# KiCad board CPU.kicad_pcb (continued)
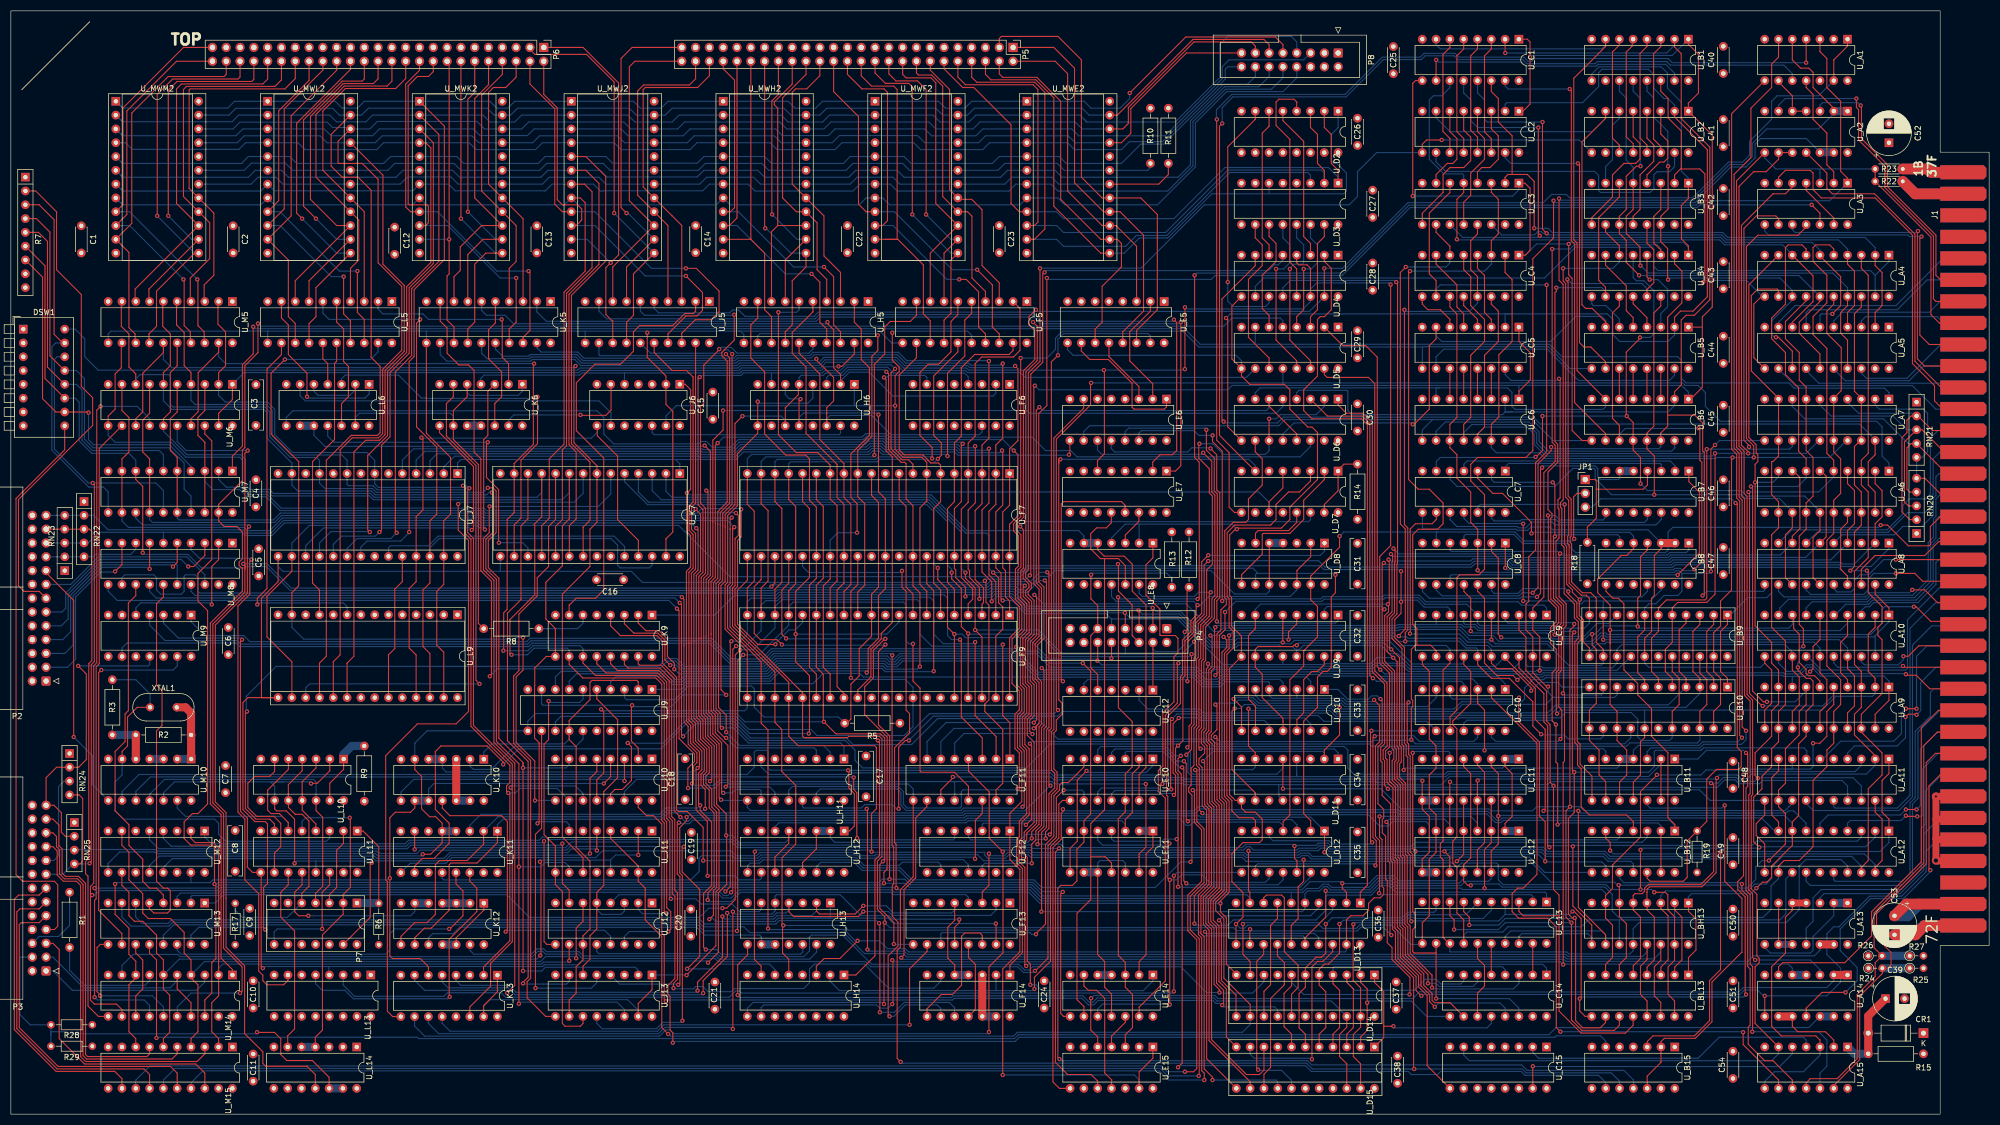
[diagram p0: board, top side]
## Routing (per net, layer and track width the routed paths; a pad name or vN(x,y) marks a point on that pad's centre or on a via; arc(x,y) is an arc through that point) (continued)
DataF.D_{0}: length 404.7
  Top w0.2: 284.86,36.5 284.86,18.97 288.93,14.91 297.06,14.91 298.5,16.35 U_BL13.12 ; 284.86,36.5 278.26,36.5 277.48,37.28 277.48,38.85 ; 284.86,36.5 284.86,40.31 283.84,41.33 283.84,60.42 v1(283.85,60.43) 283.22,61.05 283.22,71.67 282.58,72.31 282.58,77.84 278.77,81.65 278.77,87.81 277.5,89.08 U_C9.3 ; U_F9.36 v1(173.61,88.32) 172.34,89.59 172.34,96.57 170.56,98.36 v1(170.56,100.51) ; v1(211.89,60.75) 211.84,60.79 211.84,63.17 212.42,63.75 212.42,73.41 214.63,75.62 214.63,82.78 v1(214.83,82.97) ; P4.12 199.98,83.49 v1(199.92,83.43)
  Bottom w0.2: v1(173.61,88.32) 175,88.32 175.64,87.68 187.09,87.68 191.04,83.73 199.62,83.73 200.67,82.67 214.53,82.67 v1(214.83,82.97) ; v1(211.89,60.75) 212.02,60.88 215.51,60.88 215.76,60.63 234.06,60.63 ; v1(170.56,100.51) 169.8,101.26 169.8,110.9 168.56,112.14 117.15,112.14 112.92,116.37 U_K7.5 ; U_A11.17 337.94,58.59 337.95,58.6 337.95,60.38 336.93,61.39 322.34,61.39 321.75,60.81 317.96,60.81 317.27,61.5 315.33,61.5 313.96,60.13 284.15,60.13 v1(283.85,60.43) 283.55,60.13 254.17,60.13 253.68,60.62 233.3,60.62 233.3,58.47 U_D11.12
DataF.D_{1}: length 412.9
  Top w0.2: P4.10 202.52,83.9 v1(202.5,83.88) ; U_F9.37 176.15,88.43 v1(176.15,88.43) 174.88,89.7 174.88,96.7 173.1,98.48 v1(173.1,99.65) ; U_D11.5 234.05,59.88 v1(234.06,59.87) ; v1(216.48,67.49) 216.78,67.79 216.78,71.4 217.24,71.86 217.24,84.62 v1(217.25,84.63) ; 264.78,38.85 264.78,36.51 265.56,35.74 v1(265.56,33.96) ; U_BL13.11 295.96,16.35 295.02,15.42 289.06,15.42 287.15,17.33 v1(287.15,35.23) 286.13,36.25 286.13,55.81 v1(286.89,56.57) 286.86,56.6 286.86,89.04 287.66,89.84 v1(287.66,90.19)
  Bottom w0.2: v1(217.25,84.63) 216.8,84.18 193.29,84.18 189.15,88.32 176.27,88.32 v1(176.15,88.43) ; v1(216.48,67.49) 217.05,66.92 217.05,63.04 217.53,62.55 232.94,62.55 234.05,63.66 U_D11.5 ; U_C9.4 274.96,90.86 275.47,90.35 284.1,90.35 284.2,90.44 287.4,90.44 v1(287.66,90.19) ; 327.79,57.18 326.46,55.86 289.42,55.86 288.72,56.57 v1(286.89,56.57) 280.75,56.57 279.98,55.8 272.3,55.8 271.95,56.15 255.82,56.15 252.1,59.87 v1(234.06,59.87) ; U_K7.4 115.46,114.47 117.34,112.59 168.75,112.59 172.34,109 172.34,101.02 173.1,100.25 v1(173.1,99.65) ; v1(287.15,35.23) 274.96,35.23 273.69,33.96 v1(265.56,33.96)
DataF.D_{2}: length 416.6
  Top w0.2: v1(217.72,86.93) 218.02,86.63 218.02,84.25 217.69,83.92 217.69,71.67 217.23,71.21 217.23,67.08 v1(216.29,66.14) ; v1(287.66,88.65) 287.31,88.31 287.31,63.27 v1(287.66,62.92) 287.66,61.9 287.66,55.49 286.59,54.42 286.59,36.81 287.29,36.11 v1(287.73,36.11) 287.91,35.93 287.91,17.21 289.25,15.87 292.44,15.87 293.42,16.85 U_BL13.10 ; v1(268.35,34.79) 268.35,36.25 267.32,37.28 267.32,38.85 ; v1(175.64,99.65) 175.64,98.61 177.42,96.82 v1(177.42,89.07) 178.69,87.81 178.69,76.59
  Bottom w0.2: 204.98,84.64 193.48,84.64 189.04,89.08 177.43,89.08 v1(177.42,89.07) ; 204.98,84.64 215.43,84.64 v1(217.72,86.93) ; 204.98,84.64 205.06,84.71 P4.8 ; v1(216.29,66.14) 216.59,65.84 216.59,62.85 217.35,62.1 236.55,62.1 236.59,62.14 236.59,62.74 ; 236.59,62.74 U_D11.4 ; 236.59,62.74 236.59,62.1 264.05,62.1 264.55,62.6 287.33,62.6 v1(287.66,62.92) 287.67,62.92 301.37,62.92 302.39,63.93 302.39,66.73 302.61,66.94 311,66.94 311.46,67.4 329.91,67.4 330.45,66.86 330.45,65.46 ; U_C9.7 267.34,90.35 267.59,90.09 269.49,90.09 270.14,89.44 284.71,89.44 285.32,88.82 287.49,88.82 v1(287.66,88.65) ; v1(287.73,36.11) 287.63,36 274.97,36 273.76,34.79 v1(268.35,34.79) ; U_K7.3 118,114.72 119.67,113.05 168.94,113.05 174.88,107.1 174.88,100.4 v1(175.64,99.65)
DataF.D_{3}: length 416.6
  Top w0.2: v1(255.79,99.9) v1(255.79,94.27) 255.79,92.16 254.64,91 254.64,87.65 256.42,85.87 256.42,68.24 256.73,67.93 256.73,65.98 257.03,65.68 257.03,48.06 257.49,47.61 257.49,35.68 v1(257.69,35.48) ; v1(318.82,62.47) 318.81,62.46 318.81,43.87 317.75,42.81 317.75,41.32 319.12,39.96 319.12,22.18 v1(319.27,22.02) ; P4.6 206.38,88.01 206.35,88.01 206.32,88.05 206.32,93.71 203.8,96.23 203.8,101.12 v1(203.71,101.21) ; v1(180.74,99.65) 181.74,98.65 181.74,94.09 182.5,93.33 182.5,89.22 181.23,87.94 U_F9.39 ; U_BL13.9 289.66,17.99 288.67,18.98 v1(288.67,21.26) 288.93,21.52 288.93,35.99 287.63,37.29 v1(287.34,37.29)
  Bottom w0.2: v1(287.34,37.29) 286.81,36.75 274.96,36.75 ; v1(319.27,22.02) 318.81,21.56 288.97,21.56 288.67,21.26 v1(288.67,21.26) ; 340.49,64.8 340.49,64.18 339.33,63.02 319.37,63.02 v1(318.82,62.47) ; v1(255.79,94.27) 255.79,94.53 255.75,94.57 258.77,94.57 260.04,93.3 264.38,93.3 264.8,92.89 U_C9.8 ; v1(257.69,35.48) 257.75,35.55 273.75,35.55 274.94,36.74 274.94,38.85 ; v1(255.79,99.9) 255.49,100.2 241.59,100.2 240.88,100.91 187.09,100.91 185.83,99.65 v1(180.74,99.65) 179.96,100.43 179.96,106.48 179.53,106.91 175.72,106.91 169.13,113.5 121.63,113.5 120.54,114.59 U_K7.2
DataF.D_{4}: length 388.1
  Top w0.2: v1(175.64,95.27) 175.64,96.95 173.87,98.73 173.87,100.13 173.61,100.39 U_F7.36 173.61,111.42 174.88,112.7 174.88,123.1 v1(175.14,123.36) ; v1(210.1,93.15) 210.14,93.11 P4.3 ; U_C9.13 264.8,82.98 263.53,81.71 263.53,50.26 263.02,49.75 263.02,47.3 263.53,46.79 263.53,32.49 264.78,31.23 ; v1(235.08,87.31) 235.08,88.7 236.59,90.21 U_D9.4
  Bottom w0.2: v1(175.14,123.36) 174.84,123.66 161.29,123.66 160.66,124.28 157.62,124.28 157,123.66 134.03,123.66 132.64,122.26 127.33,122.26 127.17,122.42 74.11,122.42 72.03,120.33 U_J7.5 ; v1(175.64,95.27) 175.94,95.57 180.28,95.57 180.88,96.17 184.52,96.17 187.24,93.45 209.8,93.45 v1(210.1,93.15) 210.78,92.47 215.24,92.47 220.86,86.85 224.98,86.85 225.68,87.55 234.57,87.55 234.82,87.31 v1(235.08,87.31) 235.38,87.61 254.04,87.61 255.42,86.23 264.09,86.23 264.8,85.52 U_C9.13 ; 264.78,31.23 264.78,29.91 264.85,29.84 286.3,29.84 286.66,29.48 297.91,29.48 298.5,30.07 U_BH13.12 298.5,34.13 299.6,35.23 326.65,35.23 329.06,37.64 329.06,45.64 330.25,46.83 336.76,46.83 337.94,45.65 337.94,43.76
DataF.D_{5}: length 374.2
  Top w0.2: P4.5 207.6,92.62 v1(207.52,92.7) ; v1(178.21,94.82) 178.21,96.93 176.41,98.73 176.41,100 176.15,100.26 U_F7.37 176.15,111.17 177.46,112.48 177.46,122.87 v1(177.42,122.9) ; U_D9.5 234.05,89.4 234.03,89.37 v1(234.03,86.79) ; 267.32,31.23 267.32,35.75 266.07,37.01 266.07,45.41 265.31,46.17 265.31,50.22 266.07,50.98 266.07,70.89 265.31,71.66 265.31,72.31 268.61,75.62 268.61,81.46 267.34,82.73 U_C9.14
  Bottom w0.2: v1(207.52,92.7) 207.22,93 207.16,93 ; 296.04,35.74 325.5,35.74 326.59,36.83 326.59,43.28 U_A12.13 ; 296.04,35.74 290.25,35.74 288.98,34.47 275.47,34.47 274.5,33.51 267.9,33.51 267.33,32.94 U_C13.14 ; 296.04,35.74 295.96,35.66 U_BH13.11 ; 207.16,93 208.14,92.02 215.05,92.02 220.67,86.4 225.29,86.4 225.68,86.79 v1(234.03,86.79) 234.32,86.79 234.57,86.54 235.53,86.54 236.15,87.15 253.55,87.15 257.89,82.82 266.92,82.82 267.34,83.24 U_C9.14 ; 207.16,93 187.05,93 184.33,95.72 181.07,95.72 180.47,95.12 178.51,95.12 v1(178.21,94.82) ; U_J7.4 74.57,120.33 76.2,121.97 126.99,121.97 127.15,121.81 132.82,121.81 134.22,123.2 157.19,123.2 157.81,123.83 160.48,123.83 161.1,123.2 174.22,123.2 174.82,122.6 177.12,122.6 v1(177.42,122.9)
DataF.D_{6}: length 375.3
  Top w0.2: v1(288.41,55.8) 288.42,55.8 288.42,38.02 293.42,33.02 U_BH13.10 ; P4.7 205.06,92.17 v1(204.98,92.24) ; v1(180.47,94.36) 180.47,97.97 178.69,99.75 178.69,111.17 179.96,112.45 v1(179.96,122.45) ; 274.96,83.86 280.49,78.33 280.49,72.62 282.32,70.8 282.32,56.1 v1(282.02,55.8)
  Bottom w0.2: v1(282.02,55.8) v1(288.41,55.8) 288.81,55.4 326.65,55.4 327.05,55.8 328.04,55.8 330.32,53.52 330.32,51.38 ; 236.59,85.52 237.11,85.52 237.84,86.25 252.14,86.25 253.65,84.73 255.17,84.73 257.53,82.37 273.11,82.37 U_C9.17 ; 236.59,85.52 236.32,85.52 235.8,86.04 233.71,86.04 233.41,86.34 225.87,86.34 225.48,85.95 220.48,85.95 214.87,91.56 205.66,91.56 v1(204.98,92.24) 202,92.24 201.7,92.54 186.86,92.54 184.14,95.26 181.37,95.26 v1(180.47,94.36) ; 236.59,85.52 U_D9.13 ; 293.44,30.72 293.44,33 292.74,33.71 275.97,33.71 274.94,32.68 274.94,31.23 ; v1(179.96,122.45) 179.66,122.15 174.64,122.15 174.04,122.75 160.91,122.75 160.29,123.37 158,123.37 157.38,122.75 134.41,122.75 133.01,121.35 126.96,121.35 126.8,121.51 78.41,121.51 77.11,120.21 U_J7.3
DataF.D_{7}: length 373
  Top w0.2: v1(287.4,49.26) 287.4,38.29 288.1,37.6 288.1,37.59 290.88,34.8 U_BH13.9 ; U_C9.18 277.5,82.1 279.72,79.88 279.72,79.74 282.07,77.39 282.07,72.18 282.77,71.48 282.77,49.42 v1(283.09,49.1) ; v1(182.49,94.51) 182.19,94.81 182.19,99.55 181.23,100.51 U_F7.39 181.23,110.79 182.5,112.06 182.5,121.97 v1(182.38,122.1)
  Bottom w0.2: v1(182.49,94.51) 184.25,94.51 186.67,92.09 201.51,92.09 202.52,91.08 202.52,91.06 ; 202.52,91.06 202.57,91.11 214.68,91.11 223.06,82.73 234.05,82.73 U_D9.12 ; 202.52,91.06 P4.9 ; 277.48,31.23 277.48,32.68 278.01,33.2 290.2,33.2 290.88,32.52 U_BH13.9 ; 79.65,117.87 79.65,119.06 81.64,121.06 126.61,121.06 126.77,120.9 133.2,120.9 134.59,122.3 157.56,122.3 158.19,122.92 160.1,122.92 160.72,122.3 173.85,122.3 174.45,121.7 181.97,121.7 v1(182.38,122.1) ; 287.6,49.4 283.39,49.4 v1(283.09,49.1) ; 287.6,49.4 287.47,49.26 v1(287.4,49.26) ; 287.6,49.4 287.66,49.45 320.42,49.45 321.19,50.22 339.73,50.22 340.49,50.97 340.49,51.38 ; U_C9.18 277.5,82.98 276.43,81.91 257.34,81.91 256.29,82.97 250.95,82.97 250.4,82.42 241.6,82.42 241.3,82.73 234.06,82.73
DataP.D_{0}: length 648
  Top w0.2: v1(134.37,111.3) 134.37,106.22 133.7,105.56 133.7,97.08 133.24,96.62 133.24,89.99 145.67,77.55 U_F9.25 145.67,69.53 145.92,69.27 153.94,69.27 154.19,69.52 159.82,69.52 160.28,69.06 160.28,47.4 159.44,46.56 159.44,37.66 160.79,36.31 v1(160.79,35.24) 160.66,35.11 v1(160.66,20.25) ; v1(321.44,61.82) 320.93,62.32 320.93,66.47 323.98,69.52 323.98,74.22 325.25,75.49 325.25,76.12 325.25,76.13 U_A9.9 ; U_A4.9 319.79,152.6 319.79,124.51 321.13,123.17 321.13,121.64 321.44,121.34 321.44,120.07 320.93,119.56 v1(320.93,116.26) 320.93,89.84 323.98,86.79 323.98,82.98 325.25,81.72 325.25,78.4 ; U_M6.3 35.69,129.46 34.42,128.19 34.42,124.89 35.69,123.62 35.69,123.62 U_M7.3 U_M7.18 ; U_C12.6 U_C11.11 264.76,61.1 v1(264.8,61.14) ; U_BH13.5 298.5,40.23 298.83,40.56 300.15,40.56 300.6,41.01 300.6,41.57 301.32,42.29 310.97,42.29 313.31,44.63 313.31,60.59 312.99,60.91 v1(312.83,60.91) ; U_D13.12 227.97,33.97 v1(228.02,34.02) ; 298.52,25.6 298.52,27.3 299.85,28.63 299.85,36.25 298.52,37.58 298.52,38.85 ; v1(254.01,32.94) 253.75,33.2 253.75,46.2 253.4,46.56 253.4,53.47 v1(253.1,53.77)
  Bottom w0.2: U_A11.18 340.49,60.38 338.97,61.9 321.52,61.9 v1(321.44,61.82) 320.89,61.26 318.15,61.26 317.46,61.95 315.14,61.95 314.1,60.91 v1(312.83,60.91) 312.55,61.18 283.34,61.18 282.78,60.63 265.31,60.63 v1(264.8,61.14) ; U_H14.9 135.51,19.48 136.58,20.55 160.36,20.55 v1(160.66,20.25) ; v1(134.37,111.3) 134.24,111.43 127.13,111.43 126.75,111.05 126.75,111.04 126.31,110.59 87.33,110.59 86.87,111.05 49.53,111.05 46.99,113.59 43.42,113.59 42.1,114.91 37.16,114.91 35.69,116.39 U_M7.3 ; U_C12.6 264.76,53.3 263.78,54.28 253.61,54.28 v1(253.1,53.77) ; 325.25,118.53 325.25,117.27 324.23,116.26 v1(320.93,116.26) ; v1(254.01,32.94) 252.63,34.32 248.33,34.32 247.71,33.71 228.33,33.71 v1(228.02,34.02) 227.76,33.77 225.53,33.77 224.99,34.31 161.73,34.31 v1(160.79,35.24)
DataP.D_{1}: length 623
  Top w0.2: 30.6,134.29 30.6,129.2 29.34,127.94 29.34,122.1 30.61,120.83 30.6,120.82 30.6,111.43 ; 330.32,78.4 330.32,75.36 329.06,74.09 329.06,69.77 326.52,67.23 326.52,60.88 325.25,59.61 325.25,57.18 ; v1(133.42,110.6) 133.86,110.16 133.86,106.48 133.25,105.86 133.25,97.27 132.78,96.8 132.78,89.8 143.13,79.45 U_F9.24 143.13,69.53 144.86,67.8 158.94,67.8 159.26,67.47 159.26,56.19 158.36,55.29 v1(158.36,48.3) ; v1(237.87,46.81) 237.87,42.85 236.86,41.83 236.86,35.99 235.59,34.72 U_D13.15 ; v1(320.17,115.49) 320.48,115.19 320.48,77.85 322.46,75.86 v1(323.12,75.86) ; v1(266.06,46.54) 267.3,47.78 U_C12.5 U_C11.12 ; v1(295.84,42.14) 295.96,42.02 U_BH13.6 ; v1(323.47,46.66) 326.52,49.71 326.52,55.3 325.25,56.57 U_A11.12 ; U_H14.7 138.05,27.23 136.82,28.46 136.82,48.23 v1(136.89,48.3) ; U_BL13.6 295.96,27.53 297.25,28.82 297.25,35.03 295.98,36.31 295.98,38.85 ; U_A4.7 330.32,159.18 330.33,159.18 329.57,159.94 327.03,159.94 326.52,159.44 326.52,149.02 323.98,146.48 323.98,142.67 326.52,140.13 326.52,136.07 328.94,133.65 328.94,121.97 330.32,120.58 330.32,118.53
  Bottom w0.2: 158.48,48.18 158.06,48.6 137.19,48.6 v1(136.89,48.3) ; 158.48,48.18 v1(158.36,48.3) ; 158.48,48.18 179.21,48.18 179.21,47.62 179.73,47.09 183,47.09 183.6,47.69 187.25,47.69 187.71,47.23 226.57,47.23 227.29,46.51 238.24,46.51 ; v1(237.87,46.81) 238.17,46.51 238.24,46.51 ; v1(133.42,110.6) 133.35,110.67 127.03,110.67 126.5,110.14 87.14,110.14 86.68,110.6 49.59,110.6 48.33,109.34 43.32,109.34 43.31,109.33 30.93,109.33 30.6,109.66 30.6,110.7 ; v1(323.47,46.66) 322.2,46.66 321.06,45.52 321.06,43.16 319.48,41.59 318.2,41.59 317.64,42.14 v1(295.84,42.14) 295.61,42.14 295.07,42.69 283.37,42.69 279.4,46.66 266.18,46.66 v1(266.06,46.54) 265.76,46.24 254.14,46.24 253.87,46.51 238.24,46.51 ; U_A6.7 330.32,117.02 330.33,117.02 328.81,115.49 v1(320.17,115.49) ; 330.33,77.9 328.3,75.87 323.13,75.87 v1(323.12,75.86)
DataP.D_{2}: length 626.3
  Top w0.2: 20.45,111.43 20.45,120.57 21.72,121.84 21.72,128.18 20.45,129.46 U_M6.9 ; U_H14.5 143.13,28.5 141.99,29.64 141.99,34.59 v1(142.12,34.72) 141.9,34.93 141.9,47.19 144.41,49.7 144.41,60.49 141.84,63.06 141.84,70.81 140.59,72.06 U_F9.23 140.59,81.35 132.33,89.61 132.33,96.99 132.79,97.46 132.79,107.43 132.8,107.43 132.8,107.7 v1(133.1,108) ; v1(331.6,68.25) 332.87,68.25 334.14,69.52 334.14,74.09 335.4,75.36 U_A9.5 ; v1(241.91,41.1) 241.94,41.07 241.94,36.25 238.13,32.44 U_D13.16 ; U_C11.14 U_C12.3 272.38,49.93 271.15,48.69 v1(271.15,41.59) ; v1(322.35,75.1) 322.21,75.1 319.92,77.39 319.92,114.29 v1(319.72,114.48) ; 335.4,118.53 335.4,120.33 334.14,121.59 334.14,140.89 331.6,143.43 331.6,146.74 334.14,149.28 334.14,154.36 331.6,156.9 331.6,159.44 332.11,159.94 334.65,159.94 335.41,159.18 335.4,159.18 U_A4.5 ; U_BL13.7 293.42,27.53 294.7,28.81 294.7,34.8 293.42,36.07 U_BH13.7 293.42,40.23 294.7,41.51 294.7,45.82 299.85,50.98 299.85,59.36 302.87,62.38 v1(302.87,62.44)
  Bottom w0.2: U_D13.16 238.13,32.44 237.77,32.8 219.41,32.8 218.35,33.85 154.05,33.85 153.19,34.71 142.12,34.71 v1(142.12,34.72) ; U_A11.8 327.79,63.48 326.72,63.48 ; 326.72,63.48 319.18,63.48 319.02,63.32 311.88,63.32 310.98,62.41 302.9,62.41 v1(302.87,62.44) ; 326.72,63.48 331.15,63.48 331.6,63.93 v1(331.6,68.25) ; v1(322.35,75.1) 322.36,75.11 333.38,75.11 335.41,77.14 335.4,77.15 U_A9.5 ; U_M7.12 20.45,109.15 21.63,107.97 43.06,107.97 43.06,107.82 43.51,107.37 47.65,107.37 49.97,109.69 86.31,109.69 86.76,109.23 131.86,109.23 v1(133.1,108) ; U_BH13.7 293.42,40.64 292.74,41.33 271.4,41.33 271.15,41.58 v1(271.15,41.59) 270.89,41.33 270.89,41.33 267.08,41.33 266.83,41.58 254.74,41.58 253.82,42.5 251.89,42.5 250.2,40.82 242.19,40.82 v1(241.91,41.1) ; v1(319.72,114.48) 332.62,114.48 335.4,117.27 U_A6.5
DataP.D_{3}: length 612.1
  Top w0.2: v1(139.32,34.15) 139.31,34.16 139.31,70.68 138.05,71.94 U_F9.22 138.05,83.25 131.87,89.42 131.87,97.18 132.34,97.65 132.34,107.62 132.34,107.62 132.34,109.47 v1(132.64,109.77) ; v1(313.93,61.85) 313.77,61.69 313.77,44.44 311.16,41.83 301.51,41.83 301.06,41.38 301.06,40.83 301.04,40.81 U_BH13.4 ; 25.52,111.43 25.52,120.57 25.53,120.57 24.26,121.84 24.26,127.69 25.52,128.95 U_M6.7 ; U_D13.19 245.75,35.74 246.51,36.5 248.8,36.5 249.81,37.52 249.81,38.79 250.83,39.8 251.96,39.8 252.61,40.45 252.61,41.58 252.29,41.9 252.29,50.53 251.84,50.98 v1(251.84,54.79) ; 343.02,65.97 339.22,69.77 339.22,73.58 340.49,74.85 340.49,81.45 340.49,81.46 339.22,82.73 339.22,99.88 341.76,102.42 341.76,114.48 340.49,115.75 340.49,120.31 341.76,121.59 341.76,154.36 340.49,155.63 U_A4.3 ; v1(155.79,31.89) 152.53,28.63 149.61,28.63 148.21,27.22 U_H14.3 ; 301.06,38.85 301.06,37.58 302.39,36.25 302.39,28.37 301.06,27.04 301.06,25.6 ; v1(269.88,61.39) 269.84,61.36 U_C11.13 U_C12.4
  Bottom w0.2: U_M7.14 25.52,109.39 26.04,108.87 43.5,108.87 43.51,108.88 48.52,108.88 49.78,110.14 86.49,110.14 86.95,109.69 132.56,109.69 v1(132.64,109.77) ; U_C12.4 269.84,53.48 269.88,53.52 268.61,54.79 v1(251.84,54.79) ; v1(313.93,61.85) 313.93,62.01 314.33,62.41 317.64,62.41 318.34,61.72 319.45,61.72 320.3,62.57 341.41,62.57 343.02,64.18 343.02,64.8 ; v1(269.88,61.39) 270.15,61.66 313.74,61.66 313.82,61.74 ; U_D13.19 245.75,30.1 245.49,29.84 165.17,29.84 164.57,30.44 161.26,30.44 159.81,31.89 v1(155.79,31.89) 155.37,31.89 153.3,33.96 139.51,33.96 v1(139.32,34.15)
DataP.D_{4}: length 744.4
  Top w0.2: v1(341.51,100) 341.76,99.75 341.76,95.94 344.3,93.4 344.3,90.35 343.54,89.59 343.54,88.06 344.3,87.3 344.3,77.39 340.49,73.58 U_A9.18 ; 14.65,40.09 14.65,41.89 15.25,42.49 15.25,82.51 15.8,83.07 15.8,129.52 v1(16.51,130.23) ; 14.65,40.09 14.65,20.97 15.37,20.24 19.43,20.24 20.45,19.23 U_M14.12 ; 14.65,40.09 14.73,40.09 v1(14.95,40.31) ; U_A4.18 340.49,148.51 339.22,147.24 339.22,133 340.49,131.74 340.49,124.12 339.22,122.86 339.22,115.75 340.49,114.48 340.49,108.38 339.22,107.11 339.22,100.76 v1(338.46,100) ; v1(257.94,66.48) 257.94,48.86 v1(258.45,48.35) ; 340.49,70.29 344.3,66.47 344.3,62.41 341.76,59.87 341.76,46.66 340.49,45.38 340.49,43.76 ; 303.6,25.6 303.6,27.04 304.93,28.37 304.93,36.5 303.6,37.83 303.6,38.85 ; v1(263.77,48.35) 264.76,47.37 U_C12.11 ; v1(162.94,41.59) 162.88,41.65 162.88,49.68 162.6,49.96 162.6,67.4 165.36,70.16 165.36,73.71 164.72,74.35 164.72,96.19 163.96,96.95 163.96,99.95 v1(163.97,99.96) ; v1(227.71,48.44) 227.71,41.07 227.97,40.82 U_D13.9
  Bottom w0.2: U_F7.25 145.67,100.77 146.77,99.66 163.67,99.66 v1(163.97,99.96) ; v1(257.94,66.48) 258.19,66.73 264.54,66.73 264.76,66.51 U_C11.6 ; U_D13.9 227.97,39.8 227.41,40.36 223.06,40.36 221.94,39.24 189.55,39.24 187.5,41.29 163.24,41.29 v1(162.94,41.59) 162.8,41.73 38.57,41.73 37.97,41.13 16.27,41.13 15.45,40.31 v1(14.95,40.31) ; v1(341.51,100) v1(338.46,100) ; 325.94,47.42 315.6,47.42 315.14,46.97 294.07,46.97 293.15,47.89 282.59,47.89 281.82,48.65 264.07,48.65 v1(263.77,48.35) 263.75,48.33 242.6,48.33 242,48.94 241.01,48.94 240.54,48.48 237.14,48.48 236.8,48.14 228.01,48.14 v1(227.71,48.44) ; 325.94,47.42 323.98,45.46 323.98,43.36 322.96,42.33 320.87,42.33 319.61,41.07 304.42,41.07 303.58,40.23 U_BH13.3 ; 325.94,47.42 338.71,47.42 340.49,45.64 340.49,44.48 ; U_M6.14 25.52,127.94 23.24,130.23 v1(16.51,130.23)
DataP.D_{5}: length 691.7
  Top w0.2: v1(160.9,87.46) 160.83,87.46 158.7,85.33 158.7,80.25 157.1,78.66 157.1,73.52 161.24,69.39 161.24,53.57 161.22,53.56 161.22,45.06 160.65,44.49 v1(160.65,42.49) ; 325.25,43.76 325.25,45.64 326.27,46.66 329.06,46.66 331.6,49.2 331.6,61.39 334.14,63.93 334.14,66.98 335.4,68.25 335.4,74.09 336.68,75.36 336.68,79.93 334.14,82.47 334.14,105.59 335.4,106.85 335.4,112.95 336.68,114.22 336.68,120.57 335.4,121.85 335.4,131.74 336.79,133.13 336.79,141.04 334.14,143.69 334.14,147.75 335.4,149.02 U_A4.16 ; 306.14,38.85 306.14,37.58 307.47,36.25 307.47,28.37 306.14,27.04 306.14,25.6 ; U_M6.12 16.26,122.48 16.26,82.88 15.7,82.32 15.7,41.88 v1(15.4,41.58) 15.7,41.28 15.7,39.62 15.4,39.32 v1(15.4,21.51) ; U_F7.24 143.13,97.71 141.86,96.44 141.86,88.32 v1(142.65,87.53) ; U_C11.5 267.3,63.97 268.61,62.66 268.61,47.17 267.3,45.86 U_C12.12 267.3,42.88 268.1,42.09 v1(268.61,42.09)
  Bottom w0.2: 235.59,40.82 237.74,40.82 238.45,41.53 240.61,41.53 241.39,42.3 242.41,42.3 242.99,41.73 249.82,41.73 251.51,43.41 254.21,43.41 255.13,42.49 266.47,42.49 267.3,43.32 U_C12.12 ; 235.59,40.82 222.87,40.82 221.75,39.69 189.74,39.69 187.69,41.74 165.3,41.74 164.57,42.47 160.65,42.47 ; 235.59,40.82 U_D13.6 ; 304.62,36.19 295.84,36.19 294.65,37.38 294.65,40.43 293.3,41.78 274.37,41.78 273.81,42.34 268.86,42.34 v1(268.61,42.09) ; 304.62,36.19 322.4,36.19 323.87,37.66 323.87,41.98 325.25,43.36 325.25,44.47 ; 304.62,36.19 306.15,36.19 306.2,36.25 306.12,36.33 U_BH13.2 ; v1(15.4,41.58) 15.41,41.59 37.78,41.59 38.38,42.19 160.35,42.19 v1(160.65,42.49) ; v1(142.65,87.53) 142.72,87.46 v1(160.9,87.46) ; U_M14.14 25.52,20 24.51,21.01 15.91,21.01 v1(15.4,21.51)
DataP.D_{6}: length 674.9
  Top w0.2: U_A12.8 327.79,50.73 327.79,50.72 327.79,49.45 323.98,45.64 323.98,43.56 323.1,42.68 322.29,42.68 v1(321.19,41.58) ; v1(190.7,99.7) 191,99.4 191,71.17 190.54,70.71 190.54,52.74 189.65,51.85 189.65,37.3 v1(189.61,37.26) ; 330.32,110.91 330.32,112.44 331.6,113.72 331.6,120.83 330.32,122.1 330.32,133.78 330.33,133.78 329.06,135.05 329.06,140.13 326.52,142.67 326.52,145.85 330.33,149.66 330.33,150.55 ; 308.68,38.85 308.68,37.32 310.06,35.94 310.06,30.2 308.68,28.82 308.68,25.6 ; 43.06,100.25 43.06,96.06 37.16,90.16 37.16,57.26 39.14,55.28 39.14,39.93 39.13,39.93 39.13,30.52 42.55,27.1 42.55,22.66 v1(42.17,22.28) ; 43.06,100.25 43.06,100.96 v1(42.76,101.26) ; 43.06,100.25 43.06,121.58 v1(43.56,122.09) ; U_A6.14 330.32,107.62 330.33,107.62 329.06,106.35 329.06,90.09 329.82,89.33 v1(329.82,86.09) ; 327.79,51.38 327.79,53.77 328.94,54.92 328.94,68.13 330.32,69.51 330.32,70.78 ; U_C11.3 272.38,63.97 273.69,62.66 v1(273.69,54.85) 273.69,49.71 272.38,48.4 U_C12.14 ; U_F7.23 140.59,97.72 v1(139.96,97.09) ; v1(328.81,82.22) 328.81,81.71 330.33,80.19 331.09,80.19 331.6,79.68 331.6,75.36 330.32,74.09 U_A9.14
  Bottom w0.2: v1(139.96,97.09) 139.66,96.79 139.48,96.79 ; U_C12.14 272.38,43.32 271.9,42.84 267.58,42.84 266.78,42.03 254.95,42.03 254.02,42.96 251.7,42.96 250.01,41.27 242.8,41.27 242.23,41.85 241.6,41.85 240.82,41.07 238.64,41.07 238.13,40.56 U_D13.5 238.13,37.77 237.62,37.26 v1(189.61,37.26) ; v1(329.82,86.09) 329.63,86.09 329.06,85.52 329.06,83.24 328.81,82.98 v1(328.81,82.22) ; v1(43.56,122.09) 43.56,122.1 32.27,122.1 30.6,123.76 30.6,126.67 ; v1(273.69,54.85) 273.93,54.85 274.03,54.95 326.36,54.95 327.79,53.52 U_A12.8 ; 139.48,96.79 51.6,96.79 47.12,101.27 42.77,101.27 v1(42.76,101.26) ; 139.48,96.79 140.08,97.39 140.08,97.39 179.53,97.39 180.13,97.99 187.6,97.99 189.31,99.7 v1(190.7,99.7) ; v1(42.17,22.28) 33.15,22.28 30.6,19.73 30.6,17.99 ; U_BH13.1 308.66,39.98 309.25,40.56 320.17,40.56 v1(321.19,41.58)
DataP.D_{7}: length 701.6
  Top w0.2: U_C12.13 269.84,48.61 271.15,49.92 271.15,62.92 269.84,64.22 U_C11.4 ; U_D13.2 245.75,40.82 244.99,41.58 v1(244.99,42.48) ; v1(302.39,40.82) 304.42,40.82 304.88,40.36 304.88,37.57 306.12,36.33 U_BH13.15 306.12,28.29 304.93,27.1 304.93,22.02 306.12,20.83 U_BL13.15 ; U_M6.18 35.69,125.15 36.96,123.88 36.96,102.03 34.42,99.49 34.42,94.41 36.2,92.63 36.2,57.07 34.42,55.3 33.4,55.3 31.88,53.77 31.88,50.72 33.1,49.51 37.03,49.51 37.47,49.07 37.47,42.35 v1(37.47,42.34) 37.72,42.09 37.72,28.63 36.96,27.86 36.96,22.28 35.69,21 U_M14.18 ; v1(141.86,86.4) 140.96,87.3 137.93,87.3 136.78,88.44 136.78,97.08 138.05,98.34 U_F7.22 ; 325.25,150.54 325.25,151.56 325,151.82 321.44,151.82 320.25,150.62 320.25,136.74 325.25,131.74 325.25,121.09 324.22,120.07 323.98,120.07 323.98,113.97 325.25,112.7 325.25,112.69 325.25,107.87 323.98,106.6 323.98,89.59 326.52,87.05 326.52,75.36 325.25,74.09 325.25,70.78 ; v1(321.69,49.08) 320.68,50.1 320.68,58.34 322.2,59.87 322.2,62.15 323.98,63.93 323.98,67.23 325.25,68.5 325.25,68.51 U_A9.12 ; v1(299.85,48.63) v1(299.85,41.33) ; v1(161.67,43.22) 161.67,43.22 161.67,50.85 161.69,50.87 161.69,69.57 159.64,71.62 159.64,85.13 v1(160.91,86.4)
  Bottom w0.2: v1(302.39,40.82) 301.88,41.33 v1(299.85,41.33) 294.4,41.33 293.49,42.23 274.56,42.23 273.69,43.1 273.69,45.9 273.38,46.21 269.88,46.21 ; v1(141.86,86.4) 141.98,86.28 160.79,86.28 v1(160.91,86.4) ; 269.88,46.21 269.84,46.17 U_C12.13 ; 269.88,46.21 266.88,46.21 266.07,45.39 266.07,43.1 265.91,42.94 255.32,42.94 254.4,43.87 251.32,43.87 249.89,42.43 245.03,42.43 v1(244.99,42.48) 244.71,42.76 239.04,42.76 237.55,41.27 222.69,41.27 221.56,40.15 189.92,40.15 187.88,42.2 165.49,42.2 164.46,43.22 v1(161.67,43.22) 161.66,43.24 160.34,43.24 159.74,42.64 38.2,42.64 37.68,42.13 v1(37.47,42.34) ; v1(299.85,48.63) 300.16,48.94 321.55,48.94 v1(321.69,49.08) 321.81,49.2 341.25,49.2 343.02,50.97 U_A12.2
FP.RTI: length 56.7
  Top w0.2: RN24.2 8.4,63.82 6.48,61.9 P3.25 7.93,56.83 9.29,55.47 9.29,51.87 10.04,51.12 11.31,51.12 ; 9.91,63.82 12.46,63.82 13.88,65.24 13.88,80.98 12.32,82.54
  Bottom w0.2: v1(12.38,82.47) 25.28,82.47 25.55,82.74 U_M9.11
FP.~{ABT}: length 21.5
  Bottom w0.2: U_M14.7 25.52,24.56 24.66,23.69 13.58,23.69 10.8,26.47 R1.2
FP.~{HALT}: length 32.1
  Bottom w0.2: 35.69,25.07 35.69,24.3 34.17,22.78 11.31,22.78 7.74,26.35 P3.1
FP.~{RUN}: length 36.2
  Top w0.2: 30.6,25.07 30.6,23.04 33.15,20.5 33.15,17.45
  Bottom w0.2: P3.3 7.74,28.89 13.39,23.24 29.29,23.24 30.6,24.56 30.6,25.07
MW.A6_{0}: length 134.5
  Top w0.2: 178.69,91.83 178.69,93.84 178.96,94.11 178.96,96.82 177.42,98.36 177.42,111.06 178.69,112.32 178.69,123.11 179.96,124.38 v1(179.96,138.56)
  Bottom w0.2: v1(179.96,138.56) 179.88,138.64 164.84,138.64 163.31,140.17 147.62,140.17 147.03,139.57 133.51,139.57 133.03,139.1 105.44,139.1 104.32,140.22 97.58,140.22 96.77,141.02 U_K5.19
MW.A6_{1}: length 144.8
  Top w0.2: v1(182.5,138.11) 182.5,124.38 181.23,123.11 U_F7.2 181.23,112.2 181.23,112.19 179.96,110.92 179.96,99.24 181.23,97.97 U_F9.2
  Bottom w0.2: U_K5.16 89.15,140.77 90.46,139.46 95.28,139.46 95.58,139.76 104.13,139.76 105.25,138.64 133.22,138.64 133.69,139.12 147.21,139.12 147.81,139.72 163.12,139.72 164.65,138.19 176.22,138.19 176.6,137.81 182.2,137.81 v1(182.5,138.11)